# Allegro board trx_layout.brd (continued)
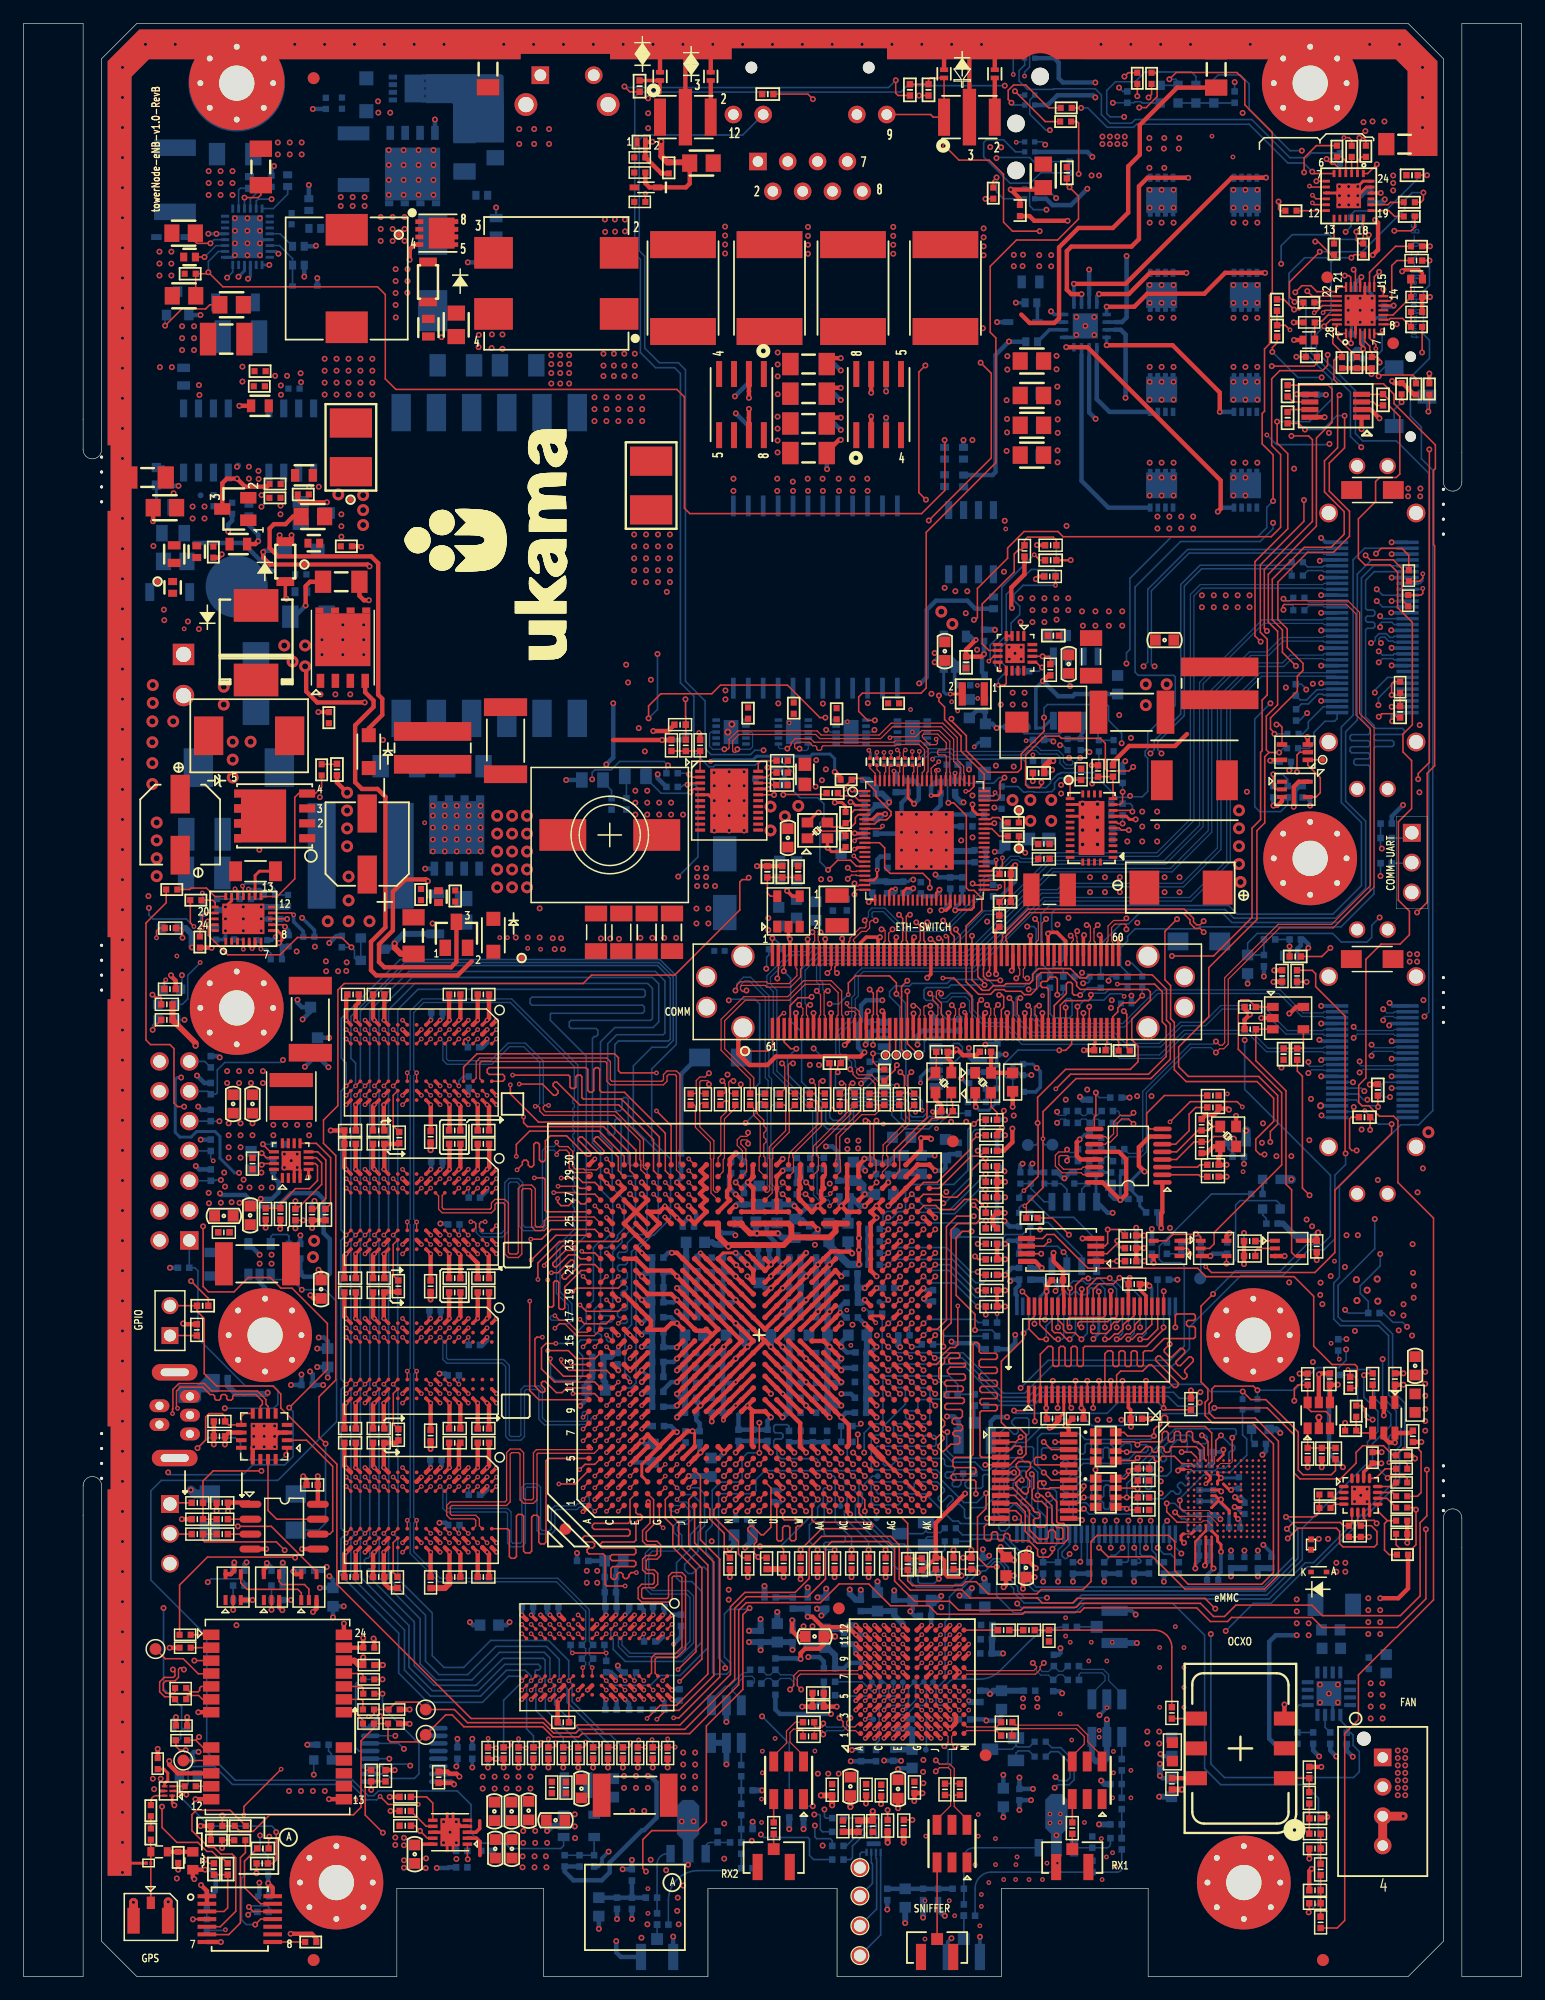
[diagram p0: board, top side]
## Routing (per net, layer and track width the routed paths; a pad name or vN(x,y) marks a point on that pad's centre or on a via; arc(x,y) is an arc through that point) (continued)
  BOTTOM w0.137: U64.56 v1(98.12,55.27)
7130_LATCH_A26: length 26.5
  TOP w0.137: v1(97.64,53.85) 97.18,53.39 97.18,53.19 97.62,52.75 97.82,52.75 98.55,53.48 98.74,53.48 98.91,53.31 98.91,53.11 98.18,52.38 98.18,52.19 98.36,52.01 98.55,52.01 99.28,52.75 99.47,52.75 99.65,52.57 99.65,52.38 98.92,51.65 98.92,51.45 99.11,51.26 99.11,51.06 98.94,50.89 98.74,50.89 96.81,52.82 96.62,52.82 96.44,52.65 96.44,52.46 98.38,50.53 98.38,50.33 98.21,50.16 98.01,50.16 96.08,52.09 95.88,52.09 95.35,51.55 93.47,51.55 93.12,51.21 U22.16
  BOTTOM w0.137: v1(97.64,53.85) 97.62,53.87 U64.55
7130_LATCH_A27: length 26.6
  TOP w0.137: U22.17 v1(93.62,50.72)
  L3-SIGNAL w0.127: v1(84.46,39.01) 85.71,39.01 87.59,39.01 88.33,39.75 88.33,45.83 87.99,46.17 87.15,46.17 86.6,46.71 86.6,50.36 87.41,51.16 93.18,51.16 v1(93.62,50.72)
  BOTTOM w0.137: v1(84.46,39.01) 84.46,39.12 84.66,38.91 84.84,38.91 85.12,38.63 U64.27
7130_MDC1: length 1.3
  TOP w0.137: v1(72.67,39.61) U1.AE1
  BOTTOM w0.137: TP36.1 v1(72.67,39.61)
7130_MDIO1: length 2.5
  TOP w0.137: U1.AD3 v1(71.67,41.61)
  BOTTOM w0.137: v1(71.67,41.61) 71.63,41.66 71.63,41.92 72.31,42.6 TP34.1
7130_MISO: length 91.1
  TOP w0.137: U1.AH23 v1(75.67,62.61)
  L3-SIGNAL w0.127: v1(79.02,72.78) 77.23,72.78 76.01,71.56 76.01,71.12 76.22,70.91 76.22,70.25 76.1,70.12 75.77,70.12 75.65,70.25 75.65,70.64 75.52,70.76 75.27,70.76 75.14,70.64 75.14,70.25 75.01,70.12 74.63,70.12 74.5,70 74.5,69.74 74.63,69.61 76.1,69.61 76.22,69.49 76.22,69.23 76.1,69.11 74.63,69.11 74.5,68.98 74.5,68.73 74.63,68.6 76.1,68.6 76.22,68.47 76.22,68.22 76.1,68.09 74.63,68.09 74.5,67.96 74.5,67.71 74.63,67.58 76.1,67.58 76.22,67.46 76.22,63.45 75.67,62.89 v1(75.67,62.61)
  L6-SIGNAL w0.127: v1(90.26,84.57) 90.16,84.57 88.22,82.63 88.22,80.68 89.38,79.52 92.01,79.52 92.14,79.65 92.14,80.83 92.01,80.95 91.4,80.95 91.27,80.83 91.27,79.9 91.15,79.77 90.89,79.77 90.76,79.9 90.76,80.83 90.64,80.95 90.38,80.95 90.26,80.83 90.26,79.9 90.13,79.77 89.88,79.77 89.75,79.9 89.75,80.83 89.62,80.95 88.74,80.95 88.62,81.08 88.62,81.34 88.74,81.46 92.01,81.46 92.14,81.59 92.14,84.27 91.79,84.61 91.61,84.61 91.18,84.18 91,84.18 90.82,84.36 90.82,84.54 91.25,84.97 91.25,85.15 89.88,86.53 81.25,86.53 79.57,84.85 79.57,81.89 78.88,81.2 78.88,80.26 79.01,80.13 80.58,80.13 80.7,80.01 80.7,79.75 80.58,79.63 79.01,79.63 78.88,79.5 78.88,78.57 79.15,78.3 79.15,75.32 79.28,75.2 79.95,75.2 80.08,75.32 80.08,75.92 80.2,76.05 80.46,76.05 80.59,75.92 80.59,75.32 80.71,75.2 81.16,75.2 81.29,75.07 81.29,74.82 81.16,74.69 79.28,74.69 79.15,74.56 79.15,74.31 79.28,74.18 80.55,74.18 80.68,74.05 80.68,73.8 80.55,73.67 79.28,73.67 79.15,73.55 79.15,73.29 79.48,72.97 79.48,72.23 79.35,72.1 79.16,72.1 79.02,72.24 v1(79.02,72.78)
  BOTTOM w0.137: R305.1 90.82,84.74 90.68,84.61 90.3,84.61 v1(90.26,84.57)
7130_MOSI: length 91.6
  TOP w0.137: U1.AK24 v1(77.67,63.61)
  L3-SIGNAL w0.127: v1(77.67,63.61) 77.19,64.09 77.19,64.72 76.65,65.26 76.65,65.58 76.77,65.71 77.79,65.71 77.92,65.84 77.92,66.09 77.79,66.22 76.77,66.22 76.65,66.35 76.65,66.6 76.77,66.73 77.97,66.73 78.1,66.85 78.1,67.11 77.97,67.23 77.79,67.23 77.66,67.36 77.66,68 77.53,68.13 77.28,68.13 77.15,68 77.15,67.36 77.03,67.23 76.77,67.23 76.65,67.36 76.65,68.91 76.79,69.06 78.27,69.06 78.4,68.93 78.4,68.07 78.52,67.95 78.78,67.95 78.91,68.07 78.91,68.93 79.03,69.06 80.22,69.06 80.35,69.18 80.35,70.93 80.22,71.05 79.96,71.05 79.84,70.93 79.84,69.44 79.71,69.31 79.46,69.31 79.33,69.44 79.33,70.93 79.2,71.05 78.95,71.05 78.82,70.93 78.82,69.44 78.69,69.31 78.44,69.31 78.31,69.44 78.31,70.93 78.19,71.05 77.93,71.05 77.81,71.18 77.81,71.44 77.93,71.56 79.62,71.56 79.75,71.69 79.75,72.11 79.62,72.24 77.82,72.24 v2(77.78,72.19)
  L6-SIGNAL w0.127: v2(77.78,72.19) 77.98,72.39 77.98,72.84 77.88,72.94 77.88,73.19 78.01,73.32 78.39,73.32 78.51,73.44 78.51,74.03 78.36,74.19 74.68,74.19 74.51,74.35 74.51,74.6 74.64,74.72 78.56,74.72 78.69,74.86 78.69,75.08 78.56,75.21 77.68,75.21 77.55,75.33 77.55,75.59 77.68,75.71 78.56,75.71 78.69,75.84 78.69,76.09 78.56,76.22 77.68,76.22 77.55,76.35 77.55,76.6 77.68,76.73 78.56,76.73 78.69,76.86 78.69,77.11 78.56,77.24 77.68,77.24 77.55,77.36 77.55,77.62 77.68,77.75 78.22,77.75 78.35,77.87 78.35,78.74 78.22,78.87 77.65,78.87 77.52,79 77.52,79.25 77.65,79.38 78.22,79.38 78.35,79.5 78.35,79.76 78.22,79.89 77.65,79.89 77.52,80.01 77.52,80.27 77.65,80.39 78.22,80.39 78.35,80.52 78.35,80.77 78.22,80.9 77.65,80.9 77.52,81.03 77.52,81.28 77.65,81.41 78.22,81.41 78.35,81.54 78.35,82.23 78.63,82.52 78.63,84.38 81.11,86.86 90.84,86.86 91.02,86.68 91.2,86.68 91.58,87.05 91.58,87.23 91.16,87.65 91.16,87.83 91.34,88.01 91.52,88.01 91.93,87.59 92.11,87.59 92.64,88.12 92.82,88.12 93,87.94 93,87.76 92.28,87.03 92.28,86.8 93.8,85.27 93.8,85.1 93.65,84.94 93.47,84.94 91.92,86.5 91.74,86.5 91.56,86.32 91.56,86.14 92.43,85.26 v1(92.43,84.79)
  BOTTOM w0.137: v1(92.43,84.79) 92.43,85 92.57,85.14 R304.1
7130_MSC_CLKOUT_EN: length 1.8
  TOP w0.137: U1.AH16 v1(75.67,55.61)
  BOTTOM w0.137: v1(75.67,55.61) 75.48,55.43 R397.2
7130_PCIE_BOOT: length 1.5
  TOP w0.137: U1.AF24 v1(73.67,63.61)
  BOTTOM w0.137: R369.2 73.63,63.66 v1(73.67,63.61)
7130_PCIE_MODE: length 8
  TOP w0.137: R134.2 81.97,65.66 v1(81.94,65.68) 81.64,65.68 81.16,66.17 80.16,66.17 79.3,65.3 78.06,65.3 77.71,65.65 76.71,65.65 U1.AJ26
  BOTTOM w0.137: R134.2 81.97,65.66 v1(81.94,65.68)
7130_PCIE_RST: length 1.3
  BOTTOM w0.137: R414.2 R416.2
7130_PHY_PLL_VDD33: length 6.3
  TOP w0.381: U1.AE27 v1(71.67,65.61)
  BOTTOM w0.508: L25.1 C273.1 70.24,64.92 70.46,65.14 C263.1 71.27,65.61 v1(71.67,65.61)
7130_PHY_PWM: length 85
  TOP w0.137: v1(109.48,5.46) 109.53,5.52 R240.1 ; U1.AF12 v1(73.67,50.61) ; v1(81.99,41.15) 81.99,39.85 81.27,39.12 81.27,35.7 82.08,34.89 v1(82.91,34.89)
  BOTTOM w0.137: v1(109.48,5.46) 110.31,6.3 110.31,15.16 109.15,16.33 101.98,16.33 100.61,17.7 100.61,29.06 97.9,31.77 90.38,31.77 89.58,30.97 84.35,30.97 82.9,32.42 82.9,34.74 82.91,34.73 v1(82.91,34.89) ; v1(81.99,41.15) 81.2,40.36 80.11,40.36 78.12,42.35 78.12,42.8 77.78,43.14 72.44,43.14 72.22,43.36 72.22,45.93 72.39,46.1 72.84,46.1 73.22,46.48 73.22,46.83 75.13,48.73 75.13,49.94 74.93,50.14 74.14,50.14 v1(73.67,50.61)
7130_PLL_MUL0: length 11.3
  TOP w0.137: U1.AF21 v1(73.67,60.61)
  BOTTOM w0.137: R389.1 81.97,59.28 81.77,59.08 81.1,59.08 79.12,61.07 74.13,61.07 v1(73.67,60.61) 73.67,60.61 R386.2
7130_PLL_MUL1: length 13
  TOP w0.137: v1(81.05,61.32) 81.31,61.06 R147.2 ; U1.AG24 v1(74.67,63.61)
  L3-SIGNAL w0.127: v1(81.05,61.32) 79.15,61.32 78.39,62.08 76.51,62.08 76.22,61.8 76.22,61.47 75.92,61.17 74.45,61.17 74.2,61.42 74.2,62.77 74.67,63.25 v1(74.67,63.61)
  BOTTOM w0.137: R383.1 81.31,61.06 v1(81.05,61.32)
7130_PLL_MUL2: length 10.9
  TOP w0.137: v1(73.67,61.61) U1.AF22 ; R150.1 81.54,59.74 v1(81.29,59.99)
  BOTTOM w0.137: R381.2 73.66,61.6 v1(73.67,61.61) 74.13,62.07 78.62,62.07 80.7,59.99 v1(81.29,59.99)
7130_PLL_MUL3: length 12.1
  TOP w0.137: R142.2 v1(81.29,62.38) ; U1.AG25 v1(74.67,64.61)
  L3-SIGNAL w0.127: v1(74.67,64.61) 75.18,64.1 75.18,62.33 75.44,62.08 75.85,62.08 76.15,62.38 76.15,62.81 76.39,63.06 78.29,63.06 79.38,61.98 80.88,61.98 v1(81.29,62.38)
  BOTTOM w0.137: R142.2 v1(81.29,62.38)
7130_PLL_MUL4: length 21.1
  TOP w0.137: U1.AF23 v1(73.67,62.61)
  L3-SIGNAL w0.127: v1(73.67,62.61) 73.67,62.98 74.17,63.47 74.17,70.18 77.11,73.13 77.82,73.13 77.95,73.26 79.17,73.26 80.32,72.11 81.6,72.11 81.73,71.98 81.73,70.75 v1(81.29,70.31)
  BOTTOM w0.137: v1(73.67,62.61) 73.65,62.59 R373.2
  BOTTOM w0.152: R337.1 v1(81.29,70.31)
7130_PLL_REFCLK50: length 15.5
  TOP w0.137: v1(80.97,72.59) 81.33,72.95 R124.2 ; v1(73.67,64.61) U1.AF25
  BOTTOM w0.137: v1(73.67,64.61) 74.01,64.61 74.53,65.13 74.91,65.13 75.14,65.35 75.14,67.08 75.49,67.44 79.25,67.44 80.44,68.63 80.44,72.11 80.93,72.59 v1(80.97,72.59)
7130_QLM0_REFCLKN: length 36.4
  TOP w0.107: v1(61.73,71.85) 61.73,71.64 61.62,71.54 61.09,71.54 60.8,71.25 60.8,70.76 61.24,70.32 61.24,69.54 61.17,69.47 U1.P30
  L3-SIGNAL w0.095: v1(88.05,73.63) 88.05,73.34 87.95,73.24 87.82,73.24 86.11,74.95 78.27,74.95 77.98,75.24 73.74,75.24 73.26,74.76 73.26,73.42 73.61,73.07 73.61,73.06 73.62,73.05 73.62,72.26 73.33,71.96 63.62,71.96 63.12,71.46 61.82,71.46 61.73,71.56 v1(61.73,71.85)
  BOTTOM w0.107: v1(88.05,73.63) 88.05,73.43 88.15,73.33 88.75,73.33 88.86,73.43 C245.2
7130_QLM0_REFCLKP: length 36.4
  TOP w0.107: U1.P29 61.6,68.54 61.6,69.49 61.54,69.55 61.54,70.45 61.11,70.88 61.11,71.13 61.21,71.23 61.62,71.23 61.73,71.13 v1(61.73,70.91)
  L3-SIGNAL w0.095: v1(61.73,70.91) 61.97,71.16 63.24,71.16 63.75,71.66 73.46,71.66 73.93,72.13 73.93,73.17 73.91,73.18 73.91,73.2 73.57,73.55 73.57,74.63 73.86,74.93 77.85,74.93 78.14,74.64 85.99,74.64 87.69,72.94 87.82,72.94 88.02,72.73 88.02,72.7 88.04,72.69 v1(88.05,72.69)
  BOTTOM w0.107: v1(88.05,72.69) 88.36,73.01 88.75,73.01 88.85,72.9 C246.2
7130_QLM0_RXN0: length 28.4
  TOP w0.107: C65.1 57.72,75.17 57.61,75.28 57.61,76.16 57.74,76.29 58.29,76.29 58.39,76.18 v1(58.39,75.97) ; v1(70.22,93.46) 70.53,93.78 70.94,93.78 70.99,93.73 U243.19
  L3-SIGNAL w0.095: v1(58.39,75.97) 58.25,76.11 58.25,76.34 58.33,76.43 58.84,76.43 59.17,76.76 59.17,80.38 62.84,84.05 62.84,86.54 63.76,87.46 65.53,87.46 66.2,88.12 66.2,89.84 69.99,93.63 70.12,93.63 70.22,93.54 v1(70.22,93.46)
7130_QLM0_RXN1: length 25.7
  TOP w0.107: J4.21 73.8,88.09 73.7,88.18 73.7,88.83 v1(74.03,89.16) ; C70.1 64.85,75.58 64.85,77.51 v1(64.61,77.75)
  L6-SIGNAL w0.095: v1(64.61,77.75) 64.93,77.43 64.93,77.03 65.2,76.76 68.19,76.76 68.85,77.43 69.73,77.43 71.31,79 71.31,79.66 72.73,81.08 72.73,82.02 72.73,82.02 72.73,82.37 72.73,82.37 72.73,82.54 72.73,82.79 71.91,83.61 71.9,83.61 71.65,83.86 71.65,86.02 73.86,88.23 73.86,88.99 v1(74.03,89.16)
7130_QLM0_RXP0: length 28.5
  TOP w0.107: v1(58.39,76.91) 58.07,76.59 57.61,76.59 57.31,76.29 57.31,75.28 57.2,75.17 C64.1 ; v1(70.22,94.4) 70.53,94.09 70.94,94.09 70.99,94.13 U243.18
  L3-SIGNAL w0.095: v1(70.22,94.4) 70.22,94.13 70.03,93.94 69.86,93.94 65.89,89.97 65.89,88.25 65.41,87.76 63.63,87.76 62.54,86.67 62.54,84.18 58.87,80.5 58.87,76.89 58.71,76.73 58.57,76.73 v1(58.39,76.91)
7130_QLM0_RXP1: length 25.7
  TOP w0.107: C71.1 65.26,75.17 65.15,75.28 65.15,77.64 65.26,77.75 v1(65.55,77.75) ; J4.20 73.3,88.09 73.4,88.18 73.4,89.06 73.29,89.16 v1(73.09,89.16)
  L6-SIGNAL w0.095: v1(73.09,89.16) 73.13,89.21 73.46,89.21 73.56,89.11 73.56,88.36 71.52,86.32 71.34,86.14 71.34,83.73 71.77,83.3 71.78,83.3 72.42,82.66 72.42,82.5 72.42,81.21 71,79.78 71,79.13 69.6,77.73 68.73,77.73 68.06,77.06 65.33,77.06 65.23,77.16 65.23,77.43 v1(65.55,77.75)
7130_QLM0_TXN0: length 27.7
  TOP w0.107: v1(70.79,92.13) 70.79,92.34 70.98,92.53 U243.22 ; v1(59.53,76.25) 59.77,76.01 59.77,75.28 59.67,75.18 C66.2
  L3-SIGNAL w0.095: v1(59.53,76.25) 59.85,75.94 59.85,75.47 60.12,75.19 61.75,75.19 63.11,76.55 63.11,82.24 64.97,84.1 65.69,84.1 69.08,87.49 69.08,91.66 69.8,92.38 70.54,92.38 v1(70.79,92.13)
7130_QLM0_TXN1: length 22.5
  TOP w0.107: J4.72 69.3,81.79 69.39,81.88 69.39,83.77 68.69,84.48 66.58,84.48 65.22,83.12 61.49,83.12 59.73,81.37 59.73,79 62.21,76.52 62.21,75.68 62.37,75.53 62.37,75.22 62.47,75.11 63.11,75.11 C69.2
7130_QLM0_TXP0: length 27.6
  TOP w0.107: U243.21 71.18,92.93 71.1,92.86 70.95,92.86 70.79,93.02 v1(70.79,93.07) ; C67.2 60.26,75.18 60.08,75.36 60.08,76.15 60.19,76.25 v1(60.47,76.25)
  L3-SIGNAL w0.095: v1(70.79,93.07) 70.79,92.78 70.69,92.69 69.67,92.69 68.77,91.78 68.77,87.62 65.56,84.4 64.85,84.4 62.8,82.36 62.8,76.68 61.62,75.5 60.25,75.5 60.15,75.59 60.15,75.94 v1(60.47,76.25)
7130_QLM0_TXP1: length 22.6
  TOP w0.107: J4.73 69.8,81.79 69.7,81.88 69.7,83.9 68.81,84.79 66.46,84.79 65.1,83.43 61.36,83.43 59.42,81.49 59.42,78.87 61.91,76.39 C68.2
7130_QLM1_RXN0: length 9.3
  TOP w0.107: U1.V28 v1(64.67,67.61)
  BOTTOM w0.107: C243.2 63.77,74.21 63.66,74.1 63.66,67.53 63.93,67.26 64.56,67.26 64.67,67.37 v1(64.67,67.61)
7130_QLM1_RXN1: length 5
  TOP w0.107: U1.AB28 v2(68.72,66.67)
  BOTTOM w0.107: v2(68.72,66.67) 68.72,66.53 68.62,66.42 67.86,66.42 67.61,66.68 67.61,68.93 67.71,69.04 67.89,69.04 C255.2
7130_QLM1_RXP0: length 9.3
  TOP w0.107: U1.V27 v1(64.67,66.61)
  BOTTOM w0.107: C244.2 63.36,73.81 63.36,67.4 63.8,66.96 64.24,66.96 64.59,66.61 v1(64.67,66.61)
7130_QLM1_RXP1: length 5
  TOP w0.107: U1.AB27 v2(68.67,65.61)
  BOTTOM w0.107: C256.2 67.3,68.47 67.3,66.55 67.74,66.12 68.56,66.12 68.67,66.01 v2(68.67,65.61)
7130_QLM1_TXN0: length 7.5
  TOP w0.107: U1.V30 65.17,69.72 65.23,69.78 65.23,70.11 67.66,72.55 67.66,74.5 67.56,74.61 67.09,74.61 66.99,74.5 C72.1
7130_QLM1_TXN1: length 8.6
  TOP w0.107: U1.AB30 69.17,69.53 69.23,69.59 69.23,71.64 71.27,73.69 72.41,73.69 72.64,73.91 72.64,74.58 72.53,74.69 72.17,74.69 72.07,74.58 C74.1
7130_QLM1_TXP0: length 7.4
  TOP w0.107: U1.V29 65.18,68.11 65.59,68.52 65.59,69.72 65.53,69.78 65.53,69.99 67.97,72.42 67.97,73.93 C73.1
7130_QLM1_TXP1: length 8.7
  TOP w0.107: U1.AB29 69.17,68.12 69.59,68.54 69.59,69.52 69.53,69.58 69.53,71.51 71.4,73.38 72.54,73.38 72.94,73.78 72.94,74.11 73.05,74.21 C75.1
7130_RESET_SW_L: length 104.4
  TOP w0.137: v1(76.67,50.61) U1.AJ12
  L3-SIGNAL w0.127: v1(22.11,78.04) 23.29,79.22 23.29,82.25 23.88,82.84 23.88,86.67 v1(23.27,87.28)
  L6-SIGNAL w0.127: v1(76.67,50.61) 76.15,51.13 76.15,55.9 77.47,57.22 77.47,57.32 78.12,57.96 78.12,64.87 76.51,66.48 76.51,67.09 74.51,69.08 69.57,69.08 68.89,69.76 68.89,70.97 68.66,71.2 67.45,71.2 60.15,78.5 57.96,78.5 46.09,90.37 31.37,90.37 29.75,88.75 24.73,88.75 v1(23.27,87.28)
  BOTTOM w0.137: v1(22.11,78.04) 21.89,77.83 17.15,77.83 16.51,77.19 16.51,75.26 16.37,75.12 R325.2 15.7,75.37 J5.11
7130_RF2_D0: length 36.7
  TOP w0.137: U1.U1 64.17,37.22 64.31,37.09 64.53,37.09 64.67,37.22 64.67,38.21 64.82,38.36 65.15,38.36 65.29,38.22 65.29,37.24 65.42,37.1 65.67,37.1 65.8,37.24 65.8,38.22 65.94,38.36 66.19,38.36 66.33,38.5 66.33,38.74 66.19,38.88 64.81,38.88 64.67,39.02 v1(64.67,39.61) ; U3.K11 v2(78.92,29.11)
  L3-SIGNAL w0.127: v2(78.92,29.11) 78.65,29.11 78.52,28.98 78.52,28.08 78.34,27.9 77.17,27.9 76.94,28.13 76.94,28.76 77.07,28.89 77.61,28.89 77.74,29.02 77.74,29.27 77.61,29.4 77.07,29.4 76.94,29.52 76.94,33.31 76.54,33.72 75.24,33.72 74.16,34.8 70.33,34.8 69.69,35.44 69.23,35.89 67.44,35.89 64.75,38.58 64.75,39.54 v1(64.67,39.61)
7130_RF2_D1: length 36.7
  TOP w0.137: U3.J12 v2(78.12,29.91) ; U1.U4 v1(64.67,42.61)
  L3-SIGNAL w0.127: v1(64.67,42.61) 64.67,42.98 64.9,43.2 65.08,43.2 65.21,43.08 65.21,38.59 65.39,38.41 65.57,38.41 66.02,38.86 66.2,38.86 66.38,38.68 66.38,38.5 65.93,38.05 65.93,37.87 66.11,37.69 66.29,37.69 66.74,38.15 66.92,38.15 67.1,37.97 67.1,37.79 66.65,37.33 66.65,37.15 67.02,36.78 67.46,36.78 67.46,36.78 67.83,36.78 67.84,36.78 68.9,36.78 68.91,36.78 69.28,36.78 69.77,36.29 69.77,35.84 70.41,35.2 75.52,35.2 75.7,35.02 75.7,34.84 75.24,34.38 75.24,34.2 75.39,34.05 75.62,34.05 76.05,34.48 76.24,34.48 77.73,32.99 77.73,32.62 77.61,32.49 77.42,32.49 77.3,32.37 77.3,32.11 77.42,31.99 77.61,31.99 77.73,31.86 77.73,30.94 77.86,30.82 78.65,30.82 78.77,30.94 78.77,32.12 78.9,32.24 79.08,32.24 79.21,32.12 79.21,30.97 79.33,30.84 79.57,30.84 79.7,30.71 79.7,30.42 79.58,30.3 77.8,30.3 77.71,30.21 77.71,30.03 77.84,29.91 v2(78.12,29.91)
7130_RF2_D2: length 33.7
  TOP w0.137: U1.U5 v1(64.67,43.61) ; U3.K10 v2(78.92,28.31)
  L6-SIGNAL w0.127: v2(78.92,28.31) 78.92,28.3 79.32,27.9 81.89,27.9 82.05,28.06 82.05,33.02 80.79,34.28 80.79,34.57 80.51,34.85 76.37,34.85 76,35.23 73.86,35.23 72.76,36.33 72.76,36.66 70.87,38.55 68.59,38.55 67.97,39.17 66.35,39.17 66.22,39.3 66.22,42.72 65.77,43.17 65.11,43.17 v1(64.67,43.61)
7130_RF2_D3: length 34
  TOP w0.137: U1.V1 v1(65.67,39.61) ; U3.J11 v2(78.12,29.11)
  L6-SIGNAL w0.127: v2(78.12,29.11) 78.12,28.92 78.35,28.69 80.19,28.69 80.32,28.81 80.32,29.1 80.45,29.22 80.7,29.22 80.83,29.1 80.83,28.81 80.95,28.69 81.53,28.69 81.66,28.81 81.66,32.95 80.92,33.69 79.72,33.69 79.55,33.86 79.24,33.86 79.11,33.74 79.11,33.38 78.98,33.25 78.73,33.25 78.6,33.38 78.6,34.36 78.48,34.49 77.51,34.49 77.38,34.36 77.38,33.37 77.26,33.25 77,33.25 76.88,33.37 76.88,34.38 76.75,34.51 76.01,34.51 75.89,34.38 75.89,33.9 75.76,33.77 75.51,33.77 75.38,33.9 75.38,34.37 75.25,34.51 74.5,34.51 74.21,34.8 73.78,34.8 72.43,36.15 72.43,36.52 70.78,38.18 68.43,38.18 67.77,38.84 65.96,38.84 65.67,39.13 v1(65.67,39.61)
7130_RF2_D4: length 37
  TOP w0.137: U3.K9 v2(78.92,27.51) ; U1.V2 v1(65.67,40.61)
  L3-SIGNAL w0.127: v2(78.92,27.51) 78.92,27.8 79.05,27.92 79.98,27.92 80.1,28.05 80.1,28.77 80.23,28.9 81.8,28.9 81.93,29.03 81.93,29.28 81.8,29.41 80.23,29.41 80.1,29.54 80.1,30.47 80.03,30.55 80.03,30.92 80.28,31.17 80.28,32.72 79.76,33.24 79.57,33.24 78.91,32.58 78.73,32.58 78.55,32.76 78.55,32.94 79.46,33.85 79.46,34.22 79.33,34.35 78.91,34.77 78.73,34.77 78.53,34.58 78.35,34.58 78.17,34.76 78.17,34.94 78.37,35.13 78.37,35.31 78.12,35.56 77.58,35.56 77.45,35.44 77.45,34.19 77.32,34.06 77.13,34.06 76.94,34.25 76.94,35.33 76.71,35.56 75.72,35.56 75.45,35.56 70.52,35.56 70.1,35.98 70.1,36.48 69.34,37.24 68.3,37.24 66.22,39.32 66.22,41.08 66.08,41.21 65.91,41.21 65.67,40.98 v1(65.67,40.61)
7130_RF2_D5: length 34.1
  TOP w0.137: U1.V3 v1(65.67,41.61) ; U3.J10 v2(78.12,28.31)
  L6-SIGNAL w0.127: v1(65.67,41.61) 65.67,41.99 65.54,42.12 65.32,42.12 65.18,41.98 65.18,39.12 65.78,38.51 67.49,38.51 68.15,37.85 70.51,37.85 71.53,36.82 71.53,36.1 73.17,34.47 74.07,34.47 75.73,32.81 76.49,32.81 76.58,32.9 80.1,32.9 80.4,32.6 81.2,32.6 81.33,32.48 81.33,32.22 81.2,32.09 80.33,32.09 80.21,31.96 80.21,31.71 80.33,31.58 81.2,31.58 81.33,31.46 81.33,29.82 81.03,29.52 78,29.52 77.74,29.26 77.74,28.88 78,28.62 78,28.62 78.12,28.5 v2(78.12,28.31)
7130_RF2_D6: length 37.1
  TOP w0.137: U3.K8 v2(78.92,26.71) ; U1.V4 v1(65.67,42.61)
  L3-SIGNAL w0.127: v2(78.92,26.71) 81.13,26.71 83.53,29.11 83.53,29.63 83.4,29.76 82.87,29.76 82.74,29.88 82.74,30.14 82.87,30.26 83.4,30.26 83.53,30.39 83.53,30.64 83.4,30.77 82.87,30.77 82.74,30.9 82.74,31.15 82.87,31.28 83.4,31.28 83.53,31.41 83.53,32.48 83.05,32.96 83.05,33.4 80.57,35.88 80.29,36.15 79.67,36.15 79.41,35.89 79.04,35.89 78.78,36.15 78.78,36.16 78.59,36.35 74.2,36.35 73.76,36.78 71.68,36.78 70.56,37.9 69.09,37.9 67.44,39.54 67.44,40.21 67.22,40.43 67.22,41.84 66.94,42.12 66.53,42.12 66.22,42.43 66.22,42.76 66.1,42.89 65.8,42.89 65.67,42.76 v1(65.67,42.61)
7130_RF2_D7: length 34
  TOP w0.137: U3.J9 v2(78.12,27.51) ; U1.V5 v1(65.67,43.61)
  L6-SIGNAL w0.127: v2(78.12,27.51) 78.12,27.51 77.72,27.9 77.72,28.48 76.9,29.3 76.9,30.25 77.18,30.52 79.02,30.52 79.26,30.76 79.26,31.78 79.08,31.96 77.99,31.96 77.47,32.48 75.53,32.48 74.7,33.31 73.06,33.31 72.93,33.19 72.17,33.19 71.53,33.82 71.53,35.64 71.04,36.13 71.04,36.58 70.84,36.78 70.21,36.78 69.48,37.52 68.01,37.52 67.35,38.18 65.48,38.18 64.14,39.51 64.14,43.77 64.45,44.08 65.2,44.08 v1(65.67,43.61)
7130_RF2_D8: length 34.1
  TOP w0.137: U3.K7 v2(78.92,25.91) ; U1.W1 v1(66.67,39.61)
  L6-SIGNAL w0.127: v2(78.92,25.91) 79.16,25.91 79.44,26.18 79.44,26.98 79.56,27.11 80.31,27.11 80.44,26.98 80.44,25.92 80.57,25.79 80.82,25.79 80.95,25.92 80.95,26.17 81.07,26.3 81.57,26.3 81.7,26.43 81.7,26.68 81.57,26.81 81.07,26.81 80.95,26.94 80.95,27.34 81.07,27.46 82.25,27.46 82.38,27.59 82.38,33.98 81.14,35.22 77.33,35.22 76.81,35.74 74.67,35.74 73.62,36.78 73.11,36.78 70.98,38.91 68.71,38.91 68.01,39.61 v1(66.67,39.61)
7130_RF2_D9: length 36.9
  TOP w0.137: U3.J8 v2(78.12,26.71) ; U1.W2 v1(66.67,40.61)
  L3-SIGNAL w0.127: v1(66.67,40.61) 66.67,40.3 67.11,39.85 67.11,38.91 68.46,37.57 70.13,37.57 71.81,35.89 78.29,35.89 78.81,35.37 79.67,35.37 82.33,32.7 82.33,32.45 82.21,32.32 81.17,32.32 81.04,32.2 81.04,31.94 81.17,31.82 82.21,31.82 82.33,31.69 82.33,31.43 82.21,31.31 81.17,31.31 81.04,31.18 81.04,30.93 81.17,30.8 82.21,30.8 82.33,30.67 82.33,30.42 82.21,30.29 81.17,30.29 81.04,30.16 81.04,29.91 81.17,29.78 82.21,29.78 82.33,29.66 82.33,28.71 80.74,27.11 78.77,27.11 78.36,26.71 v2(78.12,26.71)
7130_RF2_D10: length 34
  TOP w0.137: U1.W3 v1(66.67,41.61) ; U3.J7 v2(78.12,25.91)
  L6-SIGNAL w0.127: v1(66.67,41.61) 66.67,41.33 67.16,40.84 67.16,40.43 67.51,40.08 70.1,40.08 70.35,39.84 70.6,39.84 73.33,37.11 73.76,37.11 74.7,36.17 77.43,36.17 77.71,35.89 79.41,35.89 79.63,36.11 80.22,36.11 80.47,35.86 81.01,35.86 82.71,34.16 82.71,33.62 82.71,33.62 82.71,26.27 81.95,25.51 78.68,25.51 78.29,25.91 v2(78.12,25.91)
7130_RF2_D11: length 36.7
  TOP w0.137: U3.H8 v2(77.32,26.71) ; U1.W4 v1(66.67,42.61)
  L3-SIGNAL w0.127: v2(77.32,26.71) 77.73,26.29 81.48,26.29 83.93,28.75 83.93,33.33 83.67,33.59 83.32,33.59 81.19,35.72 81.19,36.51 80.93,36.77 80.58,36.77 80.56,36.78 74.27,36.78 73.94,37.11 71.96,37.11 70.77,38.3 69.24,38.3 68.22,39.32 68.22,41.76 67.89,42.1 67.5,42.1 66.99,42.61 v1(66.67,42.61)
7130_RF_D0: length 33.8
  TOP w0.137: U1.R1 v1(61.67,39.61) ; U3.E12 v2(74.1,29.91)
  L6-SIGNAL w0.127: v1(61.67,39.61) 61.67,40.09 61.75,40.17 62.05,40.17 62.18,40.04 62.18,39.4 62.41,39.17 63.55,39.17 65.2,37.52 67.08,37.52 67.74,36.86 69.2,36.86 69.75,36.31 69.75,34.6 69.87,34.48 69.87,32.65 70.1,32.41 70.63,32.41 70.85,32.2 70.85,31.99 70.64,31.78 70.13,31.78 70,31.65 70,31.43 70.23,31.21 71.23,31.21 71.36,31.33 71.36,32.27 71.48,32.4 71.66,32.4 71.79,32.27 71.79,31.32 71.92,31.2 73.31,31.2 73.42,31.3 73.42,31.73 73.29,31.86 72.45,31.86 72.3,32.01 72.3,32.28 72.43,32.41 73.41,32.41 73.68,32.14 73.68,30.71 73.81,30.58 75.68,30.58 75.79,30.48 75.79,29.61 75.66,29.49 74.23,29.49 74.1,29.61 v2(74.1,29.91)
7130_RF_D1: length 36.7
  TOP w0.137: U1.R2 v1(61.67,40.61) ; U3.D11 v2(73.3,29.11)
  L3-SIGNAL w0.127: v1(61.67,40.61) 61.59,40.69 61.41,40.69 60.78,40.07 60.45,40.07 60.22,39.84 60.22,38.43 60.4,38.25 60.58,38.25 61.35,39.03 61.53,39.03 61.71,38.85 61.71,38.67 60.94,37.9 60.94,36.11 62.18,34.87 62.18,33.46 62.05,33.34 61.5,33.34 61.37,33.21 61.37,32.96 61.5,32.83 62.05,32.83 62.18,32.7 62.18,32.45 62.05,32.32 61.5,32.32 61.37,32.19 61.37,31.1 61.6,30.87 63.05,30.87 63.64,30.28 64.76,30.28 65.68,31.21 66.95,31.21 67.25,30.91 67.25,30.77 67.73,30.29 68.41,30.29 68.54,30.41 68.54,31.03 68.67,31.16 68.92,31.16 69.05,31.03 69.05,30.41 69.18,30.29 69.43,30.29 69.56,30.41 69.56,31.03 69.68,31.16 69.94,31.16 70.07,31.03 70.07,30.41 70.19,30.29 70.45,30.29 70.57,30.41 70.57,31.03 70.7,31.16 70.95,31.16 71.08,31.03 71.08,30.41 71.21,30.29 71.46,30.29 71.59,30.41 71.59,31.03 71.72,31.16 71.97,31.16 72.1,31.03 72.1,30.41 72.22,30.29 72.66,30.29 72.91,30.03 72.91,29.49 v2(73.3,29.11)
7130_RF_D2: length 37
  TOP w0.137: U3.E11 v2(74.1,29.11) ; U1.R3 v1(61.67,41.61)
  L3-SIGNAL w0.127: v2(74.1,29.11) 73.82,29.11 73.69,29.23 73.69,30.69 73.41,30.97 73.23,30.97 72.9,30.64 72.72,30.64 72.59,30.77 72.59,30.95 72.97,31.33 72.97,31.41 72.84,31.54 68.09,31.54 67.87,31.76 67.02,31.76 66.89,31.89 66.89,32.54 66.77,32.67 66.51,32.67 66.39,32.54 66.39,31.89 66.26,31.76 66.01,31.76 65.88,31.89 65.88,33.04 65.75,33.17 65.5,33.17 65.38,33.04 65.38,31.9 65.24,31.76 65,31.76 64.87,31.89 64.87,33.04 64.74,33.17 64.49,33.17 64.36,33.04 64.36,31.9 64.23,31.76 63.97,31.76 63.85,31.89 63.85,32.54 63.72,32.67 63.47,32.67 63.34,32.54 63.34,31.39 63.21,31.27 62.7,31.27 62.61,31.36 62.61,33.93 63.03,34.36 63.03,35.9 62.75,36.18 62.51,36.18 62.1,36.59 62.1,36.98 61.98,37.11 61.42,37.11 61.29,37.23 61.29,37.49 61.42,37.62 61.95,37.62 62.1,37.77 62.1,39.42 62.16,39.47 62.15,41.13 v1(61.67,41.61)
7130_RF_D3: length 36.7
  TOP w0.137: U3.D10 v2(73.3,28.31) ; U1.R4 v1(61.67,42.61)
  L3-SIGNAL w0.127: v2(73.3,28.31) 73.23,28.37 73.23,28.57 73.36,28.7 74.3,28.7 74.49,28.9 74.49,30.36 72.94,31.91 70.6,31.91 70.32,31.91 69.71,31.91 69.54,32.08 69.54,33.33 69.42,33.44 69.2,33.44 69.07,33.31 69.07,32.08 68.91,31.91 68.73,31.91 67.84,32.81 67.84,33.41 67.69,33.56 67,33.56 66.99,33.57 66.62,33.57 66.61,33.56 66.41,33.36 66.04,33.36 65.9,33.5 63.5,33.5 63.36,33.64 63.36,34.31 63.55,34.5 64.81,34.5 64.93,34.62 64.93,34.84 64.77,35 63.5,35 63.36,35.14 63.36,36.03 63.19,36.21 63.19,36.81 63.18,36.81 63.18,37.29 63.03,37.44 62.55,37.44 62.43,37.56 62.43,37.84 62.55,37.95 63.05,37.95 63.18,38.08 63.18,38.3 63.03,38.45 62.57,38.45 62.44,38.58 62.44,38.83 62.57,38.96 63.05,38.96 63.18,39.09 63.18,40.73 61.96,41.95 61.96,42.24 62.34,42.62 62.34,43.05 62.21,43.18 61.8,43.18 61.67,43.05 v1(61.67,42.61)
7130_RF_D4: length 33.8
  TOP w0.137: U1.P3 v1(60.67,41.61) ; U3.E10 v2(74.1,28.31)
  L6-SIGNAL w0.127: v2(74.1,28.31) 73.84,28.31 73.46,28.69 73.14,28.69 72.9,28.93 72.9,30.41 72.78,30.53 72.24,30.53 72.11,30.41 72.11,29.61 71.99,29.49 70.38,29.49 70.26,29.61 70.26,30.25 68.82,31.68 68.82,31.7 68.82,31.71 68.82,33.2 68.82,33.21 68.82,33.6 68.5,33.92 68.5,34.52 69.09,35.11 69.09,35.3 68.96,35.43 68.78,35.43 68.24,34.89 67.97,34.89 67.89,34.97 67.89,35.15 68.65,35.92 68.65,36.1 68.49,36.26 68.31,36.26 67.55,35.49 67.37,35.49 67.2,35.66 67.2,36.47 66.48,37.19 65.07,37.19 63.42,38.84 61.24,38.84 61.11,38.96 61.11,41.04 61.24,41.17 62.18,41.17 62.34,41.32 62.34,42.02 62.21,42.15 60.69,42.15 60.56,42.02 60.56,41.72 v1(60.67,41.61)
